# Altium PCB Board2.PcbDoc (part 3 of 3)
Units mil, origin at the board's own origin, x right, y up, seen from the top; angles counter-clockwise.
Board outline 3947.04 x 3947.04 mil, 2 copper layers (Top Layer, Bottom Layer); 271 components, 195 nets, 853 pads, 792 vias.
Unrouted connection lines stored in the file: 1.
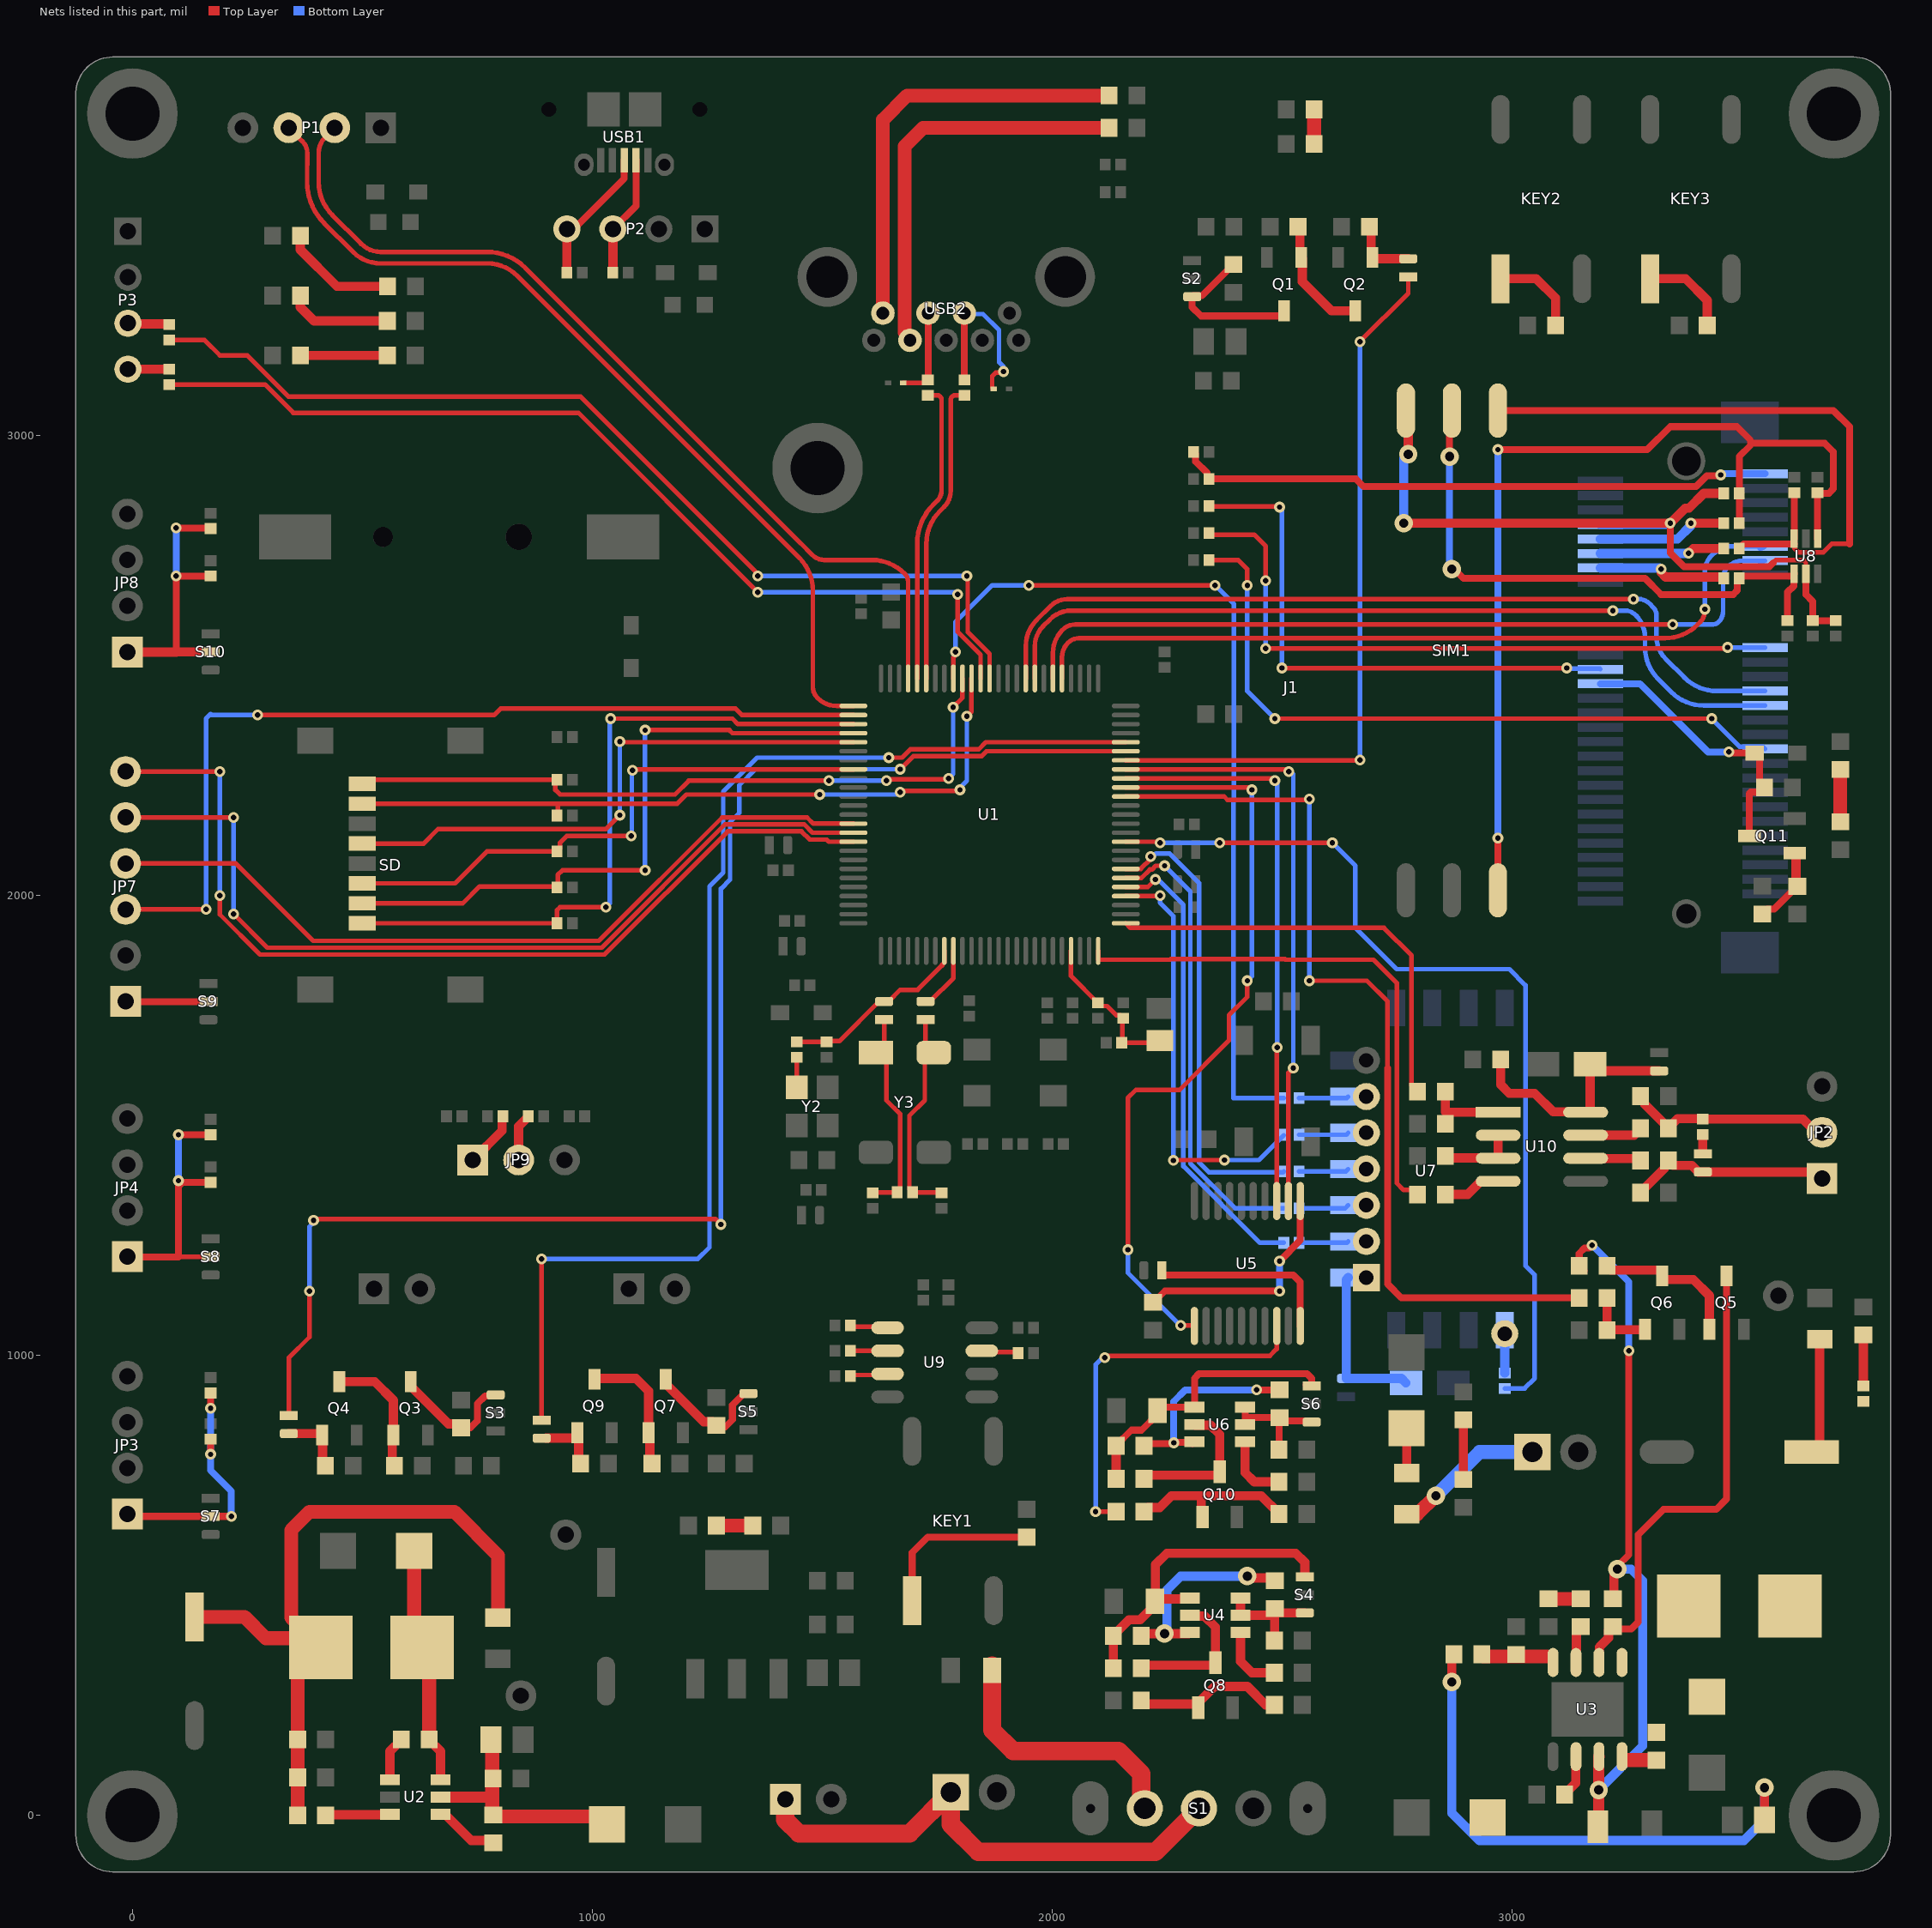
[diagram p3: the nets of this part, all layers, seen from the top]

## Via types
v1: diameter 23.62, hole 11.81, Top Layer to Bottom Layer, 761 vias
v2: diameter 40, hole 20, Top Layer to Bottom Layer, 31 vias

## Nets (pads, with @x,y where several pads share a name; then routed paths per layer and width w, separated by ;. In a path a pad name is that pad's centre, name@x,y a point inside that pad or via, vN(x,y) a via of type N, cw(c..) or ccw(c..) an arc to the next point about the centre after c; other vN are vias at no path point) (continued)
NetC19_1: C19.1 CB4.1 R8.1 Y3.1 | length 463.1
  Top Layer w10: C19.1@1610,1353.46 1610.77,1354.23 1662.5,1354.23 R8.1@1663.27,1355 1670,1361.73 1670,1525 1640,1555 1640,1637.68 1619.41,1658.27 Y3.1@1617.01,1658.27 1635,1676.26 CB4.1@1635,1730.63
NetC20_1: C20.1 CB5.1 R8.2 Y3.4 | length 465.6
  Top Layer w10: R8.2@1696.73,1355 1690,1361.73 1690,1521.43 1723.39,1554.82 1723.39,1638.66 Y3.4@1742.99,1658.27 1725,1676.26 CB5.1@1725,1730.63 ; R8.2@1702.5,1354.23 1759.23,1354.23 C20.1@1760,1353.46
NetC27_1: C27.1 C28.2 D5.2 R28.2 U2.5 | length 534.3
  Top Layer w25: U2.5@670.12,39.43 781.89,39.43
  Top Layer w30: C27.1@779.92,164.74 782.46,162.2 782.46,80 782.46,40 ; 781.89,39.43 782.46,40 ; D5.2@1032.32,-20 1015.31,-2.99 789.29,-2.99 788.31,-2.01 788.31,2.01 785,5.32 782.46,7.85 782.46,40
NetC29_2: C29.2 Q1.3 S2.1 | length 357.7
  Top Layer w15: C29.2@2395,3372.41 2394.02,3372.41 2326.61,3305 2307.28,3305 S2.1@2305,3302.72 2305,3280 2324.31,3260.69 2499.7,3260.69 2505,3265.98 Q1.3@2505,3271.93
NetC30_1: C30.1 C31.1 F4.1 L1.1 R26.1 R27.1 | length 1583.2
  Top Layer w30: C31.1@135,431.22 243.78,431.22 290,385 L1.1@390,385 ; R26.1@359.37,-0.26 C30.1@359.37,164.74 359.37,314.37 L1.1@410,365 L1.1@390,385 ; F4.1@795,430 795,565 700,660 385,660 345,620 345,430 L1.1@390,385
NetC32_1: C32.1 U2.1 | length 98.4
  Top Layer w20: U2.1@559.88,76.83 559.88,139.21 584.68,164.02 C32.1@584.68,165
NetC32_2: C32.2 D6.2 L1.2 U2.6 | length 522
  Top Layer w20: C32.2@645.32,165 645.32,164.02 670.12,139.21 U2.6@670.12,76.83
  Top Layer w30: D6.2@612.68,575 612.68,382.56 L1.2@630.24,365 645.32,349.92 C32.2@645.32,165
NetC33_1: C33.1 U3.8 | length 60.1
  Top Layer w30: 3255,120 3314.69,120 C33.1@3315,119.68
NetC33_2: C33.2 D8.2 L2.1 U3.1 | length 56.6
  Top Layer w30: L2.1@3385,455 L2.1@3425,415
NetC35_1: C35.1 D7.2 R32.1 R35.1 U3.7 | length 1621.5
  Top Layer w15: R35.1@3157.7,1184.22 R35.1@3146.89,1195.02 3146.89,1221.89 3158.35,1233.35 3168.35,1233.35 v1(3175,1240) ; v2@3222.5,527.5 v2(3230,535) 3230,541.76 3255,566.76 v1(3255,1010)
  Top Layer w20: R32.1@3220,470.63 3222.5,473.13 v2@3222.5,527.5
  Top Layer w25: C35.1@3187.68,-38.19 3189.31,-36.56 3189.31,126.95 U3.7@3190,127.64
  Bottom Layer w15: v1(3175,1240) 3255,1160 v1(3255,1010)
  Bottom Layer w20: v2(3189.31,55) 3285,150.69 3285,510 3260,535 v2(3230,535)
NetC36_1: C36.1 C37.2 F5.1 L2.2 R30.2 R33.2 | length 1533.4
  Top Layer w20: v2(2870,290) 2870,345.63 R30.2@2874.37,350 ; C37.2@3550.04,-10 v2(3550,60) ; C36.1@3659.41,790 3670,800.59 F5.1@3670,1035
  Top Layer w30: L2.2@3605.24,455 L2.2@3641.89,491.65 ; C36.1@3641.89,779.41 C36.1@3652.48,790 C36.1@3659.41,790
  Bottom Layer w20: v2(2870,290) 2870,5 2930,-55 3505,-55 3550,-10 v2(3550,60)
NetC38_2: C38.2 Q3.3 S3.1 | length 284
  Top Layer w15: C38.2@715,842.59 735,842.59 750,857.59 750,895 767.03,912.03 787.66,912.03 S3.1@790,914.37
  Top Layer w20: Q3.3@605,943.07 605,933.23 687.33,850.9 706.69,850.9 C38.2@715,842.59
NetC39_1: C39.1 R40.2 | length 70
  Top Layer w30: R40.2@3080,470.63 C39.1@3150,470.63
NetC39_2: C39.2 U3.3 | length 82.4
  Top Layer w20: U3.3@3140,332.36 3140.69,333.06 3140.69,365.69 3140.71,401.69 3149.02,410 C39.2@3150,410
NetC40_1: C40.1 C42.2 S4.1 U4.2 U4.3 | length 233.1
  Top Layer w20: U4.3@2410.12,472.4 U4.2@2410.12,435 2479.51,435 2484.51,430 2484.51,380.49 C42.2@2484.02,380 ; C40.1@2485,449.68 2485.98,449.68 2495.67,440 S4.1@2550,440
NetC40_2: C40.2 R43.1 U4.6 | length 458.1
  Top Layer w20: R43.1@2194.05,390 2199.84,395.79 2200.63,395 v2(2245,395) 2297.28,395 U4.6@2299.88,397.6 ; v2(2425,520) 2428.83,516.17 2479.14,516.17 C40.2@2485,510.32
  Bottom Layer w20: v2(2245,395) 2250,400 2250,490 2280,520 v2(2425,520)
NetC43_2: C43.2 Q7.3 S5.1 | length 277.2
  Top Layer w15: C43.2@1270,847.59 1272.59,845 1290,845 1305,860 1305,892.12 1330.16,917.28 S5.1@1340,917.28
  Top Layer w20: Q7.3@1160,948.07 1160,938.23 1242.33,855.9 1261.69,855.9 C43.2@1270,847.59
NetC44_1: C44.1 C45.2 S6.1 U6.2 U6.3 | length 258.1
  Top Layer w15: U6.2@2420.12,850 2420.12,868.7 ; U6.3@2420.12,887.4 2420.12,868.7 ; C45.2@2494.02,795 2494.51,795.49 2494.51,864.19 C44.1@2495,864.68 ; S6.1@2565,855 2562.66,857.34 2502.34,857.34 C44.1@2495,864.68 ; 2420.12,868.7 2424.13,864.68 C44.1@2495,864.68
NetC44_2: C44.2 R51.1 U6.6 | length 450
  Top Layer w15: R51.1@2200.31,803.36 2205.31,808.35 2263.35,808.35 v1(2265,810) 2266.3,811.3 2302.56,811.3 2305.57,808.29 U6.6@2309.88,812.6 U6.6@2312.48,810 ; v1(2445,925) 2445.16,925.16 2494.84,925.16 C44.2@2495,925.32
  Bottom Layer w15: v1(2265,810) 2265,900 2290,925 v1(2445,925)
NetC46_1: C46.1 CB14.2 U7.1 | length 355.2
  Bottom Layer w20: U7.1@2644.45,1169.17 2640,1164.72 CB14.2@2640,950 2640.16,949.84 2760.16,949.84 C46.1@2770,940
NetC49_2: C49.2 R67.1 R72.2 SIM1.6 U8.1 | length 2135.1
  Top Layer w15: SIM1.6@2970,2011.69 v1(2970,2125) ; v1(2970,2970) 3295,2970 3345,3020 3490,3020 3520,2990 3520,2980 3495,2955 R67.1@3495,2875 R72.2@3495,2810 ; 3524.31,2984.31 3680.69,2984.31 3700,2965 3700,2885 3690,2875 3666.46,2875 C49.2@3665.3,2876.16 ; C49.2@3665,2876.46 C49.2@3665.3,2876.16 ; U8.1@3665.59,2776.38 3665.3,2776.67 C49.2@3665.3,2876.16
  Bottom Layer w15: v1(2970,2125) v1(2970,2970)
NetC50_2: C50.2 R69.2 SIM1.3 U8.3 | length 1411
  Top Layer w10: U8.3@3614.41,2776.38 3615,2775.79 3615,2755 3623.31,2746.69 3678,2746.69 3696.31,2765 3735,2765
  Top Layer w15: SIM1.3@2970,3055 3700,3055 3735,3020 3735,2765 ; R69.2@3495,2755 3504.96,2764.96 U8.3@3614.41,2764.96 ; U8.3@3614.41,2776.38 3614.7,2776.67 3614.7,2876.16 C50.2@3615,2876.46
NetC51_2: C51.2 R68.2 SIM1.2 U8.4 | length 1253.1
  Top Layer w15: v2(2865,2955) 2865,3050 SIM1.2@2870,3055 ; v2(2870,2710) 2875,2710 2895,2690 3290,2690 3325,2655 3481.9,2655 3490.69,2663.79 3490.69,2685.69 R68.2@3495,2690 3495,2690.69 3499.31,2695 U8.4@3613.64,2695 ; C51.2@3600,2598.19 3600,2660 3613.64,2673.64 U8.4@3613.64,2695 ; U8.4@3614.41,2700 3613.64,2699.23 U8.4@3613.64,2695
  Bottom Layer w15: v2(2865,2955) 2865,2715 v2(2870,2710)
NetC56_2: C56.2 C57.1 CB15.2 U10.8 | length 534.7
  Top Layer w20: C56.2@2976.06,1643.9 2976.06,1588.94 2995,1570 3050,1570 3090.36,1529.64 3160.12,1529.64 U10.8@3160.87,1528.9 3168.95,1528.9 3170.75,1530.7 C57.1@3170.75,1633.9 3185.59,1619.06 3320.59,1619.06 CB15.2@3320.75,1618.9
NetCB8_2: CB8.2 Q2.1 R29.2 | length 148.8
  Top Layer w20: R29.2@2690.32,3455 2694.61,3450.71 2694.61,3390.87 Q2.1@2697.4,3388.07 2697.4,3387.95 2700.2,3385.16 2774.84,3385.16 CB8.2@2775,3385
NetCB9_2: CB9.2 Q4.1 R36.2 | length 141.7
  Top Layer w20: CB9.2@340,830 340.16,829.84 409.8,829.84 412.6,827.05 Q4.1@412.6,826.93 413.64,825.89 413.64,761.04 R36.2@414.68,760
NetCB11_2: CB11.2 Q9.1 R49.2 | length 147.6
  Top Layer w20: CB11.2@900,820.16 964.8,820.16 967.6,822.95 Q9.1@967.6,831.93 970.39,829.13 970.39,769.29 R49.2@974.68,765
NetCB12_1: CB12.1 U5.20 | length 411.4
  Top Layer w15: CB12.1@2239.37,1185 2239.37,1177.34 2241.71,1175 2525,1175 2540.16,1159.84 U5.20@2540.16,1064.17
NetCB16_1: CB16.1 R89.1 | length 42.2
  Top Layer w20: CB16.1@3415.75,1438.27 R89.1@3415.75,1480.43
NetCB16_2: CB16.2 JP2.1 R91.2 R95.2 | length 445.5
  Top Layer w20: R95.2@3280.43,1353.9 3280.43,1354.88 3332.76,1407.2 3332.76,1415.59 R91.2@3341.06,1423.9 3341.06,1423.31 3350.94,1413.43 3391.69,1413.43 3406.22,1398.9 CB16.2@3415.75,1398.9 3661.1,1398.9 JP2.1@3675,1385
NetD10_1: D10.1 R83.2 USB2.3 | length 201.7
  Top Layer w10: D10.1@1676.54,3115 1676.61,3115.08 1723.35,3115.08 R83.2@1730,3121.73
  Top Layer w15: R83.2@1730,3121.73 1730.63,3122.36 USB2.3@1730.63,3266.89
NetD11_1: D11.1 R82.2 USB2.2 | length 390
  Top Layer w10: D11.1@1873.46,3102.2 1871.46,3102.2 1871.38,3102.28 1871.38,3104.29 1870,3105.67 1870,3130 1877.39,3137.39 1892.39,3137.39 v1(1895,3140)
  Top Layer w15: USB2.2@1809.37,3266.89 1809.69,3266.57 1809.69,3122.05 R82.2@1810,3121.73
  Bottom Layer w10: USB2.2@1809.37,3266.89 1811.22,3265.04 1849.96,3265.04 1885,3230 1885,3160 1895,3150 v1(1895,3140)
NetD12_2: D12.2 F8.2 | length 97.3
  Top Layer w20: F8.2@2771.58,744.4 D12.2@2771.58,841.72
NetF3_1: F3.1 S1.3 | length 582.2
  Top Layer w40: F3.1@1870,325 1870,185 1915,140 2145,140 2194.48,90.52 2194.48,22.41 S1.3@2201.89,15
NetF6_1: F6.1 R42.2 R43.2 S4.3 U4.4 | length 729.8
  Top Layer w20: R42.2@2133.43,320 R43.2@2133.43,390 2133.43,390.98 2167.44,425 2191.87,425 2225,458.13 F6.1@2225,465.63 ; U4.4@2299.88,472.4 2298.07,470.59 2229.96,470.59 F6.1@2225,465.63 ; S4.3@2550,518.74 2550,550 2530,570 2250,570 2225,545 F6.1@2225,465.63
NetF7_1: F7.1 R50.2 R51.2 S6.3 U6.4 | length 637
  Top Layer w15: R51.2@2139.68,803.36 2139.68,804.34 2172.92,837.58 2195.08,837.58 2230,872.5 F7.1@2230,880 2237.4,887.4 U6.4@2309.88,887.4 2310,887.52 2310,950 2320,960 2555,960 2565,950 S6.3@2565,933.74 2555.16,933.74 S6.3@2552.81,936.08
  Top Layer w20: R50.2@2139.68,731.68 R51.2@2139.68,803.36
NetF8_1: F8.1 KF2.1 | length 330
  Top Layer w30: F8.1@2771.28,654.7 F8.1@2771.58,654.4 2794.4,654.4 v2(2835,695)
  Bottom Layer w30: v2(2835,695) 2930,790 KF2.1@3045,790
NetJ1_1: J1.1 R65.2 R66.2 | length 1300.2
  Top Layer w15: R65.2@2308.27,2965 2312.58,2960.69 2312.58,2944.22 2337.42,2919.38 2337.42,2910.56 R66.2@2341.73,2906.25 2661.42,2906.25 2677.67,2890 3401.14,2890 3424.49,2913.35 3453.35,2913.35 v1(3455,2915)
  Bottom Layer w15: v1(3455,2915) 3457.44,2917.44 J1.1@3551.26,2917.44
NetJ1_17: J1.17 R70.2 | length 1445.2
  Top Layer w10: R70.2@2341.73,2788.75 2345.48,2785 2440,2785 2465,2760 v1(2465,2685) ; v1(2465,2537.5) 3467.5,2537.5 v1(3470,2540)
  Bottom Layer w10: v1(2465,2537.5) v1(2465,2685) ; v1(3470,2540) 3475,2540 3475.51,2539.49 J1.17@3551.26,2539.49
NetJ1_20: J1.20 R71.1 | length 1200.5
  Top Layer w10: R71.1@2341.73,2847.5 2342.98,2846.25 2493.75,2846.25 v1(2495,2845) ; v1(2500,2495) v1(3120,2495)
  Bottom Layer w10: v1(2495,2845) 2500,2840 v1(2500,2495) ; v1(3120,2495) 3121.38,2493.62 3191.61,2493.62 J1.20@3192.99,2492.24
NetJ1_31: J1.31 R73.2 | length 1535
  Top Layer w10: R73.2@2341.73,2730 2405,2730 2425,2710 v1(2425,2675) ; v1(2485,2385) v1(3435,2385)
  Bottom Layer w10: v1(2425,2675) 2425,2445 v1(2485,2385) ; v1(3435,2385) 3496.14,2323.86 3546.42,2323.86 J1.31@3551.26,2319.02
NetJP1_1: JP1.1 KF1.1 S1.2 | length 1128.9
  Top Layer w40: JP1.1@1420,35 1420,-10 1450,-40 1690,-40 KF1.1@1780,50 1780,-20 1840,-80 2225,-80 S1.2@2320,15
NetJP2_2: JP2.2 R86.1 R87.2 R89.2 | length 449.8
  Top Layer w20: R86.1@3280.43,1563.9 3288.74,1555.59 3288.74,1547.2 R87.2@3341.06,1494.88 ; R87.2@3341.06,1493.9 R87.2@3341.06,1494.88 ; JP2.2@3675,1485 3662.3,1485 3633.4,1513.9 R89.2@3415.75,1513.9 3414.65,1515 3361.18,1515 R87.2@3341.06,1494.88
NetJP3_1: JP3.1 R90.1 R93.1 S7.2 | length 548.2
  Top Layer w15: JP3.1@-11,655 -6,650 S7.2@170,650 v1(215,650) ; v1(170,785) R90.1@170,818.27 ; v1(170,885) R93.1@170,918.27
  Bottom Layer w15: v1(170,885) v1(170,785) 170,750 215,705 v1(215,650)
NetJP4_1: JP4.1 R97.1 R98.1 S8.2 | length 593.3
  Top Layer w10: JP4.1@-11,1215 -10.37,1214.37 JP4.1@10,1214.37 ; 100,1214.37 S8.2@170,1214.37 ; R97.1@170,1376.54 R97.1@171.26,1377.8 ; R98.1@170,1480 R98.1@170.98,1480
  Top Layer w15: JP4.1@10,1214.37 100,1214.37 100,1367.75 ; v1(100,1380) 100,1367.75 ; v1(100,1480) R98.1@170,1480 ; R97.1@170,1376.54 108.79,1376.54 100,1367.75
  Bottom Layer w15: v1(100,1380) v1(100,1480)
NetJP7_1: JP7.1 S9.2 | length 180.3
  Top Layer w15: JP7.1@-15,1770 -14.37,1769.37 S9.2@165,1769.37
NetJP8_1: JP8.1 R99.1 R100.1 S10.2 | length 708.9
  Top Layer w15: 95,2530 v1(95,2695) R99.1@170,2695 ; v1(95,2800) 95.87,2799.13 169.13,2799.13 R100.1@170,2798.27
  Top Layer w20: S10.2@170,2530 95.63,2530 ; 95.63,2530 95,2530 JP8.1@-11,2530 -10.37,2529.37 95,2529.37 95.63,2530
  Bottom Layer w15: v1(95,2695) v1(95,2800)
NetJP9_1: JP9.1 R101.1 | length 122.2
  Top Layer w20: JP9.1@740,1425 803.83,1488.83 803.83,1518.19 R101.1@805.64,1520
NetJP9_2: JP9.2 R103.1 | length 103.7
  Top Layer w20: JP9.2@840,1425 840,1497.93 861.09,1519.02 R103.1@861.09,1520
NetKEY1_1: KEY1.1 R12.2 | length 367.2
  Top Layer w15: KEY1.1@1696,466.77 1696,571 1729.68,604.68 R12.2@1945,604.68
NetKEY2_1: KEY2.1 R13.2 | length 196.4
  Top Layer w20: KEY2.1@2976,3341.77 3053.23,3341.77 3095.32,3299.68 R13.2@3095.32,3240
NetKEY3_1: KEY3.1 R16.2 | length 198.5
  Top Layer w20: KEY3.1@3301,3341.77 3378.23,3341.77 3425.32,3294.68 R16.2@3425.32,3240
NetLED1_K: LED1.K R9.2 | length 253
  Top Layer w20: LED1.K@365.31,3435 365,3434.69 365,3405 445,3325 R9.2@554.68,3325
NetLED2_K: LED2.K R10.2 | length 226.9
  Top Layer w20: LED2.K@365.31,3305 365,3304.69 365,3280 395,3250 R10.2@554.37,3250
NetLED3_K: LED3.K R11.2 | length 189.1
  Top Layer w20: LED3.K@365.31,3175 R11.2@554.37,3175
NetLED4_A: LED4.A R24.1 | length 79.4
  Top Layer w30: R24.1@1270,630 LED4.A@1349.37,630
NetLED5_A: LED5.A R33.1 | length 111.2
  Top Layer w20: R33.1@3765,933.46 LED5.A@3765,1044.68
NetLED6_A: LED6.A R44.1 | length 75
  Top Layer w30: R44.1@2570.31,3635 LED6.A@2570.32,3710
NetLED7_A: LED7.A R52.1 | length 129.4
  Top Layer w20: LED7.A@2895,730.32 R52.1@2895,859.69
NetLED8_A: LED8.A R56.1 | length 114.1
  Top Layer w30: R56.1@3715,2160.31 LED8.A@3715,2274.37
NetP2_3: P2.3 R14.1 USB1.2 | length 265.4
  Top Layer w15: P2.3@1045,3450 1095.32,3500.31 USB1.2@1095.32,3599.57
  Top Layer w20: R14.1@1045,3355 P2.3@1045,3450
NetP2_4: P2.4 R15.1 USB1.3 | length 305.8
  Top Layer w10: P2.4@945,3435 P2.4@945,3450 P2.4@954.39,3459.39
  Top Layer w15: P2.4@954.39,3459.39 955.34,3458.43 965.35,3458.43 966.31,3459.39 969.39,3459.39 1069.35,3559.35 1069.35,3599.19 USB1.3@1069.72,3599.57
  Top Layer w20: R15.1@945,3355 P2.4@945,3435
NetP3_3: P3.3 R21.1 | length 91.4
  Top Layer w20: P3.3@-10,3245 -8.37,3243.37 78.37,3243.37 R21.1@80,3241.73
NetP3_4: P3.4 R23.1 | length 90
  Top Layer w20: P3.4@-10,3145 R23.1@80,3145
NetQ1_1: Q1.1 Q2.3 R25.1 | length 265.1
  Top Layer w20: R25.1@2535.31,3455 2539.61,3450.71 2539.61,3390.87 Q1.1@2542.4,3388.07 2544.57,3385.91 2544.57,3335.43 2608.07,3271.93 Q2.3@2660,3271.93
NetQ3_1: Q3.1 Q4.3 R31.1 | length 289.7
  Top Layer w20: Q4.3@450,943.07 526.93,943.07 567.6,902.4 Q3.1@567.6,826.93 565,824.33 R31.1@565,760 ; R31.1@566.69,768.31 R31.1@575,760
NetQ5_1: Q5.1 Q6.3 R35.2 | length 332
  Top Layer w20: R35.2@3207.52,1195.02 3207.52,1194.04 3215.83,1185.73 3324.72,1185.73 3327.52,1182.94 Q6.3@3327.52,1173.09 3327.52,1167.8 3330.32,1165 3395,1165 3430.12,1129.88 Q5.1@3430.12,1056.95
NetQ5_3: Q5.3 R32.2 U3.2 | length 1041.4
  Top Layer w15: R32.2@3220,410 3225,405 3260,405 3275,420 3275,610 3330,665 3445,665 3467.52,687.52 Q5.3@3467.52,1173.09
  Top Layer w20: U3.2@3190,332.36 3190.69,333.06 3190.69,365.69 3210.71,385.71 R32.2@3210.71,401.69
NetQ6_1: Q6.1 R37.2 R39.2 | length 153.4
  Top Layer w20: R37.2@3207.52,1125.02 R39.2@3207.52,1055.02 3208.48,1055.99 3289.15,1055.99 Q6.1@3290.12,1056.95
NetQ7_1: Q7.1 Q9.3 R41.1 | length 290.3
  Top Layer w20: Q9.3@1005,948.07 1006.93,950 1095,950 1122.6,922.4 Q7.1@1122.6,831.93 1125.39,829.13 1125.39,769.61 R41.1@1130,765
NetQ8_1: Q8.1 R46.2 R48.1 | length 337.1
  Top Layer w20: R46.2@2194.06,250 2202.27,241.78 2314.43,241.78 Q8.1@2318.21,238 ; Q8.1@2318.21,233.57 Q8.1@2318.21,238 ; R48.1@2484.02,240 2465,240 2425,280 2353.82,280 2318.21,244.39 Q8.1@2318.21,238
NetQ8_3: Q8.3 R42.1 U4.5 | length 311.6
  Top Layer w20: R42.1@2194.05,320 2200.05,326 2351.83,326 2355.61,329.78 Q8.3@2355.61,331.99 2355.61,409.39 2331.81,433.19 2301.69,433.19 U4.5@2299.88,435
NetQ10_1: Q10.1 R54.2 R55.1 | length 373.4
  Top Layer w20: R54.2@2200.32,660 2200.32,660.98 2208.62,669.29 2234.29,669.29 2260,695 2325,695 ; Q10.1@2327.6,648.57 2325,651.17 2325,695 ; R55.1@2494.02,655 2494.02,655.98 2455,695 2325,695
NetQ10_3: Q10.3 R50.1 U6.5 | length 318.7
  Top Layer w20: R50.1@2200.31,731.68 2207.97,739.34 2361.22,739.34 2365,743.12 Q10.3@2365,746.99 2365,828.28 2345.1,848.19 2311.69,848.19 U6.5@2309.88,850
NetQ11_1: Q11.1 R60.2 R64.1 | length 176.1
  Top Layer w15: R64.1@3545,1960 3555.81,1970.81 3570.92,1970.81 3620.43,2020.32 R60.2@3621.41,2020.32
  Top Layer w20: Q11.1@3615.62,2092.6 3618.52,2089.7 3618.52,2023.21 R60.2@3621.41,2020.32
NetR7_1: R7.1 Y2.3 | length 65.6
  Top Layer w10: Y2.3@1445,1582.68 R7.1@1445,1648.27
NetR26_2: R26.2 U2.3 | length 135.2
  Top Layer w20: R26.2@425.63,-0.26 426.77,0.88 558.74,0.88 U2.3@559.88,2.02
NetR28_1: R28.1 U2.4 | length 140.7
  Top Layer w20: U2.4@670.12,2.02 679.96,2.02 736.98,-55 779.69,-55 R28.1@785,-60.31
NetR30_1: R30.1 R34.2 U3.4 | length 144
  Top Layer w30: R30.1@2935,350 2935,349.02 2938.31,345.71 3076.65,345.71
NetR38_1: R38.1 U3.6 | length 92.9
  Top Layer w20: R38.1@3115.31,45 3115.31,45.98 3139.31,69.98 3139.31,126.94 U3.6@3140,127.64
NetR45_1: R45.1 U4.1 | length 146.9
  Top Layer w20: U4.1@2410.12,397.6 2410.12,334.88 2435,310 R45.1@2484.02,310
NetR47_1: R47.1 U5.1 | length 499.8
  Top Layer w15: R47.1@2220,1115.31 2220.98,1115.31 2245.67,1140 v1(2495,1140) ; v1(2495,1205) 2540.16,1250.16 U5.1@2540.16,1335.83
  Bottom Layer w15: v1(2495,1140) v1(2495,1205)
NetR53_1: R53.1 U6.1 | length 149.9
  Top Layer w20: U6.1@2420.12,812.6 2420,812.48 2420,745 2440,725 R53.1@2494.02,725
NetR57_1: R57.1 U7.12 | length 93.3
  Bottom Layer w20: R57.1@2985,961.73 U7.12@2985,1055
NetR58_2: R58.2 U7.2 | length 107.8
  Bottom Layer w10: R58.2@2537.83,1245 2641.54,1245 U7.2@2644.45,1247.91
NetR59_2: R59.2 U7.3 | length 109.4
  Bottom Layer w10: R59.2@2537.83,1320 2637.8,1320 U7.3@2644.45,1326.65
NetR61_2: R61.2 U7.4 | length 108.8
  Bottom Layer w10: R61.2@2537.83,1400 2639.05,1400 U7.4@2644.45,1405.39
NetR62_2: R62.2 U7.5 | length 108.3
  Bottom Layer w10: R62.2@2537.83,1480 2640.32,1480 U7.5@2644.45,1484.13
NetR63_2: R63.2 U7.6 | length 107.8
  Bottom Layer w10: R63.2@2537.83,1560 2641.57,1560 U7.6@2644.45,1562.87
NetR74_2: R74.2 U9.7 | length 81.2
  Top Layer w10: U9.7@1847.36,1010 1849.86,1007.5 1924.04,1007.5 R74.2@1926.54,1005
NetR77_1: R77.1 U9.1 | length 83
  Top Layer w10: R77.1@1561.73,1065 1564.23,1062.5 1640.14,1062.5 U9.1@1642.64,1060
NetR78_1: R78.1 U9.2 | length 80.9
  Top Layer w10: R78.1@1561.73,1010 U9.2@1642.64,1010
NetR79_1: R79.1 U9.3 | length 83
  Top Layer w10: R79.1@1561.73,955 1564.23,957.5 1640.14,957.5 U9.3@1642.64,960
NetR84_2: R84.2 USB2.4 | length 919.3
  Top Layer w30: USB2.4@1632.2,3266.89 1632.2,3687.2 1685,3740 R84.2@2109.37,3740
NetR85_2: R85.2 USB2.6 | length 873.1
  Top Layer w30: USB2.6@1691.26,3207.83 1691.26,3213.57 1680,3224.83 1680,3630 1720,3670 R85.2@2109.68,3670
NetR87_1: R87.1 U10.7 | length 126.4
  Top Layer w20: U10.7@3160.87,1478.9 3266.42,1478.9 3280.43,1492.91 R87.1@3280.43,1493.9
NetR88_2: R88.2 R92.2 U10.1 | length 159.1
  Top Layer w20: R88.2@2856.06,1573.9 2855.91,1573.74 2855.91,1530 2857.01,1528.9 U10.1@2970.63,1528.9
NetR91_1: R91.1 U10.6 | length 121.6
  Top Layer w20: U10.6@3160.87,1428.9 3161.61,1428.15 3276.18,1428.15 R91.1@3280.43,1423.9
NetR94_2: R94.2 U10.2 U10.3 | length 167
  Top Layer w20: R94.2@2855.75,1433.9 2860,1429.64 2969.88,1429.64 U10.3@2970.63,1428.9 U10.2@2970.63,1478.9
NetR96_2: R96.2 U10.4 | length 126.8
  Top Layer w20: R96.2@2855.75,1350 2855.88,1350.13 2904.06,1350.13 2932.82,1378.9 U10.4@2970.63,1378.9
OSC32_IN: C18.2 CB4.2 R7.2 U1.8 | length 418.9
  Top Layer w10: R7.2@1445,1681.73 C18.2@1510,1681.73 1511.92,1683.65 1537.8,1683.65 1624.14,1770 CB4.2@1635,1770 1644.84,1770 1669.84,1795 1707.95,1795 1761.18,1848.23 1761.18,1849.8 1765.94,1854.57 U1.8@1765.94,1880
OSC32_OUT: CB5.2 U1.9 | length 140.9
  Top Layer w10: CB5.2@1725,1770 1734.84,1770 1785.63,1820.79 U1.9@1785.63,1880
OUT_CRTL: R54.1 U5.18 | length 821.5
  Top Layer w10: v1(2095,660) R54.1@2139.69,660 ; v1(2115,995) 2118.98,998.98 2473.98,998.98 2488.98,1013.98 U5.18@2488.98,1064.17
  Bottom Layer w10: v1(2095,660) 2095,980 v1@2112.5,997.5
PRESET: C47.2 D9.2 J1.22 Q11.3 | length 612.8
  Top Layer w15: v1(3472.5,2312.5) 3475,2310 D9.2@3528.54,2310 3530.28,2310 3539.11,2301.16 3539.11,2245.57 C47.2@3549.69,2235 3539.69,2225 3520,2225 3517.2,2222.2 Q11.3@3517.2,2130
  Bottom Layer w15: J1.22@3192.99,2460.75 3279.25,2460.75 3427.5,2312.5 v1(3472.5,2312.5)
PWRER_CAM: U1.43 U5.2 | length 1301.4
  Top Layer w10: U1.43@2160.63,2274.68 2510.32,2274.68 v1(2515,2270) ; U5.2@2514.57,1335.83 2514.57,1614.57 v1(2525,1625)
  Bottom Layer w10: v1(2515,2270) 2518.69,2270 2524.54,2264.14 2525,2264.14 v1(2525,1625)
PWRER_D: R37.1 U1.40 | length 2031.2
  Top Layer w10: U1.40@2160.63,2215.63 2374.37,2215.63 2381.81,2208.19 2558.19,2208.19 v1(2560,2210) ; v1(2560,1815) 2685,1815 2730,1770 2730,1625
  Top Layer w15: 2730,1625 2730,1155 2760,1125 2874.95,1125 ; 2874.98,1125.02 R37.1@3146.89,1125.02
  Bottom Layer w10: v1(2560,1815) v1(2560,2210)
PWRER_LE: U1.41 U5.11 | length 1686.9
  Top Layer w10: U1.41@2160.63,2235.32 2429.68,2235.32 v1(2435,2230) ; v1(2165,1230) 2165,1560 2182.5,1577.5 2277.5,1577.5 2385,1685 2385,1740 2425,1780 v1(2425,1815) ; v1(2280,1065) 2309.02,1065 U5.11@2309.84,1064.17
  Bottom Layer w10: v1(2165,1230) 2165,1180 v1(2280,1065) ; v1(2425,1815) 2435,1825 v1(2435,2230)
PWRER_OUT: U1.42 U5.3 | length 1243.1
  Top Layer w10: U1.42@2160.63,2255 2480,2255 v1(2485,2250) ; U5.3@2488.98,1335.83 2488.98,1668.98 v1(2490,1670)
  Bottom Layer w10: v1(2485,2250) 2490,2245 v1(2490,1670)
PWRER_OUT3.3: CB9.1 U1.45 | length 3181.9
  Top Layer w10: CB9.1@340,869.37 340,995 385,1040 v1(385,1140) ; v1(393.86,1293.86) 396.81,1296.81 1268.19,1296.81 v1(1280,1285) ; v1(1670,2275) 1698.19,2303.19 1846.83,2303.19 1857.69,2314.06 U1.45@2160.63,2314.06
  Bottom Layer w10: v1(385,1140) 385,1280 393.86,1288.86 v1(393.86,1293.86) ; v1(1280,1285) 1280,2015 1300,2035 1300,2160 1320,2180 1320,2240 1355,2275 v1(1670,2275)
PWRER_OUT5: CB11.1 U1.46 | length 2649.8
  Top Layer w10: CB11.1@890,859.37 v1(890,1210) ; v1(1645,2300) 1673.79,2300 1691.98,2318.19 1840.62,2318.19 1856.17,2333.74 U1.46@2160.63,2333.74
  Bottom Layer w10: v1(890,1210) 1230,1210 1255,1235 1255,2020 1285,2050 1285,2226.21 1358.79,2300 v1(1645,2300)
PWRER_USB: CB8.1 U1.44 | length 1603.8
  Top Layer w10: U1.44@2160.63,2294.37 2669.37,2294.37 v1(2670,2295) ; v1(2670,3205) 2775,3310 CB8.1@2775,3345.63
  Bottom Layer w10: v1(2670,2295) v1(2670,3205)
RS485_RXD: R88.1 U1.26 | length 953.1
  Top Layer w10: U1.26@2160.63,1940.04 2170.67,1930 2722.13,1930 2782.13,1870 2782.13,1587.2 R88.1@2795.43,1573.9
  Top Layer w15: R88.1@2795.43,1573.9 R88.1@2795.43,1574.88
RS485_TXD: R96.1 U1.25 | length 1181.3
  Top Layer w10: U1.25@2100.59,1880 2100.59,1860.59 2257.31,1860.59 2258.53,1861.81 2506.47,1861.81 2507.69,1860.59 2699.41,1860.59 2750,1810 2750,1375 2765,1360 2785.12,1360 R96.1@2795.12,1350
SDIO_CMD: R19.2 SD.3 U1.83 | length 1260
  Top Layer w10: SD.3@500,2026.69 701.69,2026.69 771,2096 R19.2@923.27,2096 930.08,2102.81 930.08,2115.08 945,2130 v1(1085,2130) ; v1(1087.34,2272.34) 1089.61,2274.61 1568.03,2274.61 U1.83@1568.11,2274.68
  Bottom Layer w10: v1(1085,2130) 1086.17,2131.17 1086.17,2271.17 v1(1087.34,2272.34)
SDIO_D0: R20.2 SD.7 U1.65 | length 1592
  Top Layer w10: SD.7@500,2199.92 925,2199.92 ; R20.2@923.27,2174 925,2175.73 925,2199.92 ; v1(1495,2220) 1205,2220 1184.92,2199.92 925,2199.92 ; v1(1670,2225) 1672.5,2227.5 1797.5,2227.5 v1(1800,2230) ; v1(1815,2390) 1825,2400 U1.65@1825,2472.52
  Bottom Layer w10: v1(1495,2220) 1665,2220 v1(1670,2225) ; v1(1800,2230) 1800,2235 1815,2250 v1(1815,2390)
SDIO_D1: R22.2 SD.8 U1.66 | length 1554
  Top Layer w10: SD.8@500,2243.23 508.77,2252 R22.2@923.27,2252 920,2248.73 920,2230 930,2220 1180,2220 1210,2250 v1(1515,2250) ; v1(1640,2250) 1643.19,2253.19 1773.19,2253.19 v1(1775,2255) ; v1(1785,2410) 1805.31,2430.31 U1.66@1805.31,2472.52
  Bottom Layer w10: v1(1515,2250) v1(1640,2250) ; v1(1775,2255) 1785,2265 v1(1785,2410)
SDIO_D2: R17.2 SD.1 U1.78 | length 1508.3
  Top Layer w10: SD.1@500,1940.08 500.08,1940 R17.2@923.27,1940 923.27,1968.27 930,1975 v1(1030,1975) ; v1(1040,2385) 1305,2385 1316.89,2373.11 U1.78@1568.11,2373.11
  Bottom Layer w10: v1(1030,1975) 1038.19,1983.19 1038.19,2383.19 v1(1040,2385)
SDIO_D3: R18.2 SD.2 U1.79 | length 1422
  Top Layer w10: SD.2@500,1983.39 718.39,1983.39 755,2020 921.27,2020 R18.2@923.27,2018 925,2019.73 925,2045 935,2055 v1(1115,2055) ; v1(1115,2360) 1298.43,2360 1305,2353.43 U1.79@1568.11,2353.43
  Bottom Layer w10: v1(1115,2055) v1(1115,2360)
SDIO_SCK: SD.5 U1.80 | length 1254.2
  Top Layer w10: SD.5@500,2113.31 633.31,2113.31 665,2145 1030,2145 v1(1060,2175) ; v1(1060,2335) 1061.26,2333.74 U1.80@1568.11,2333.74
  Bottom Layer w10: v1(1060,2175) v1(1060,2335)
SPI3_CSN: JP7.3 U1.77 | length 2014.8
  Top Layer w10: JP7.3@-15,1970 v1(160,1970) ; v1(272.2,2392.8) 786.79,2392.8 800.81,2406.81 1311.71,2406.81 1325.72,2392.8 U1.77@1568.11,2392.8
  Bottom Layer w10: v1(160,1970) 160,2385 170,2395 172.2,2392.8 v1(272.2,2392.8)
SPI3_MISO: JP7.5 U1.90 | length 1942
  Top Layer w10: JP7.5@-15,2170 v1(220,2170) ; v1(220,1960) 293.19,1886.81 1020.6,1886.81 1288.79,2155 1461.21,2155 1479.32,2136.89 U1.90@1568.11,2136.89
  Bottom Layer w10: v1(220,1960) v1(220,2170)
SPI3_MOSI: JP7.6 U1.91 | length 2050.7
  Top Layer w10: JP7.6@-15,2270 v1(190,2270) ; v1(190,2000) 190,1959.15 277.34,1871.81 1026.81,1871.81 1295,2140 1455,2140 1473.19,2121.81 1510,2121.81 1514.61,2117.2 U1.91@1568.11,2117.2
  Bottom Layer w10: v1(190,2000) v1(190,2270)
SPI3_SCLK: JP7.4 U1.89 | length 1769.4
  Top Layer w10: JP7.4@-15,2070 225,2070 393.19,1901.81 1014.38,1901.81 1282.57,2170 1467.43,2170 1480.85,2156.57 U1.89@1568.11,2156.57
SWCLK: P1.3 U1.76 | length 1957.8
  Top Layer w10: P1.3@340,3670 369.82,3640.18 cw(c344.64,3615) 380.25,3615 380,3560 380,3551.42 ccw(c505,3551.42) 416.61,3463.03 479.64,3400 ccw(c540,3460.36) 540,3375 772.11,3375 cw(c772.11,3283.54) 836.79,3348.21 1435,2750 1450.71,2734.29 cw(c1380,2663.58) 1480,2663.58 1480,2454.14 ccw(c1514.14,2454.14) 1490,2430 ccw(c1532.3,2472.3) 1532.3,2412.48 U1.76@1568.11,2412.48
SWDIO: P1.2 U1.72 | length 1993.4
  Top Layer w10: P1.2@440,3670 419.12,3649.12 ccw(c453.28,3615) 405,3615 405,3551.42 ccw(c505,3551.42) 434.29,3480.71 497.32,3417.68 ccw(c540,3460.36) 540,3400 770,3400 ; 771.08,3400 cw(c771.08,3282.5) 854.16,3365.59 1452.37,2767.37 ; 1452.5,2767.5 1479.39,2740.61 ccw(c1505,2766.21) 1505,2730 1608.58,2730 cw(c1608.58,2630) 1679.29,2700.71 1680,2700 cw(c1662.61,2682.61) 1687.2,2682.61 U1.72@1687.2,2472.52
UART3_CTS: J1.25 U1.58 | length 1825.3
  Top Layer w10: U1.58@1962.8,2472.52 1962.8,2542.8 cw(c2023.15,2542.8) 1980.47,2585.47 1995.59,2600.59 cw(c2042.45,2553.74) 2042.45,2620 v1(3220,2620)
  Bottom Layer w10: v1(3220,2620) 3245.86,2620 cw(c3245.86,2585.86) 3270,2610 cw(c3221.72,2561.72) 3290,2561.72 3290,2540 ccw(c3386.57,2540) 3318.28,2471.72 3347.21,2442.79 ccw(c3417.92,2513.5) 3417.92,2413.5 J1.25@3551.26,2413.5
UART3_RTS: J1.23 U1.59 | length 1857.4
  Top Layer w10: U1.59@1943.11,2472.52 1943.11,2542.8 cw(c2023.15,2542.8) 1966.55,2599.39 1996.79,2629.63 cw(c2033.9,2592.52) 2033.9,2645 v1(3265,2645)
  Bottom Layer w10: v1(3265,2645) 3275.86,2645 cw(c3275.86,2610.86) 3300,2635 3307.93,2627.07 cw(c3290.86,2610) 3315,2610 3315,2563.28 ccw(c3383.28,2563.28) 3335,2515 3375.71,2474.29 ccw(c3446.42,2545) 3446.42,2445 J1.23@3551.26,2445
UART3_RXD: J1.13 U1.56 | length 1766.2
  Top Layer w10: U1.56@2002.17,2472.52 2002.17,2527.4 cw(c2074.03,2527.4) 2023.22,2578.22 ; 2023.24,2578.24 cw(c2051.67,2549.76) 2051.67,2590 v1(3350,2590)
  Bottom Layer w10: v1(3350,2590) 3437.93,2590 ccw(c3437.93,2607.07) 3449.99,2594.99 ccw(c3442.96,2602.1) 3450.1,2595.1 ccw(c3425.86,2619.14) 3460,2619.14 3460,2690.86 cw(c3494.14,2690.86) 3470,2715 cw(c3502.51,2682.49) 3502.51,2728.46 J1.13@3551.26,2728.46 cw(c3539.19,2740.54) J1.13@3539.19,2723.46
UART3_TXD: J1.11 U1.55 | length 1755.5
  Top Layer w10: U1.55@2021.85,2472.52 2021.85,2518.25 cw(c2066.75,2518.25) 2035,2550 cw(c2059.14,2525.86) 2059.14,2560 2095,2560 2160,2560 3333.58,2560 ccw(c3333.58,2660) 3404.29,2589.29 3410,2595 ccw(c3385.86,2619.14) 3420,2619.14 v1(3420,2623)
  Bottom Layer w10: v1(3420,2623) 3420,2703.79 cw(c3471.21,2703.79) 3435,2740 cw(c3483.19,2691.81) 3483.19,2759.96 J1.11@3551.26,2759.96 cw(c3539.19,2772.03) J1.11@3539.19,2754.96
UART6_RXD: R23.2 U1.64 | length 2093
  Top Layer w10: R23.2@80,3111.54 288.12,3111.54 349.66,3050 970,3050 1350,2670 ; v1(1795,2655) 1795,2573.79 1844.68,2524.1 U1.64@1844.68,2472.52
  Bottom Layer w10: v1(1360,2660) 1790,2660 v1(1795,2655)
UART6_TXD: R21.2 U1.63 | length 2181.4
  Top Layer w10: R21.2@80,3208.27 156.73,3208.27 190,3175 249.41,3175 339.41,3085 975,3085 v1@1355,2705 ; v1(1815,2695) 1816.81,2693.19 1816.81,2573.19 1864.37,2525.63 U1.63@1864.37,2472.52
  Bottom Layer w10: v1(1360,2695) v1(1815,2695)
USB_N: R82.1 U1.70 | length 657.1
  Top Layer w10: U1.70@1726.57,2472.52 1726.89,2472.83 1726.89,2765.47 cw(c1826.89,2765.47) 1756.18,2836.18 1765.03,2845.03 ccw(c1728.9,2881.17) 1780,2881.17 1780,3078.27 cw(c1790,3078.27) 1782.93,3085.34 cw(c1790,3078.27) 1790,3088.27 R82.1@1810,3088.27
USB_P: R83.1 U1.71 | length 657
  Top Layer w10: U1.71@1706.89,2472.52 1706.89,2765.52 cw(c1826.75,2765.52) 1742,2850.28 1750.86,2859.14 ccw(c1728.79,2881.21) 1760,2881.21 1760,3078.27 ccw(c1750,3078.27) 1757.07,3085.34 ccw(c1750,3078.27) 1750,3088.27 R83.1@1730,3088.27
USIM_CLK: J1.12 R69.1 | length 273
  Top Layer w20: v1(3385,2745) 3395,2755 R69.1@3461.54,2755
  Bottom Layer w20: J1.12@3192.99,2744.21 3384.21,2744.21 v1(3385,2745)
USIM_DATA: J1.10 R72.1 | length 285.7
  Top Layer w20: v1(3390,2810) R72.1@3461.54,2810
  Bottom Layer w20: J1.10@3192.99,2775.71 3360.71,2775.71 3390,2805 v1(3390,2810)
USIM_RST: J1.14 R68.1 | length 282.7
  Top Layer w20: v1(3325,2710) 3325,2702.8 3335,2692.8 3459.72,2692.8 3461.54,2690.98 R68.1@3461.54,2690
  Bottom Layer w20: J1.14@3192.99,2712.72 3321.3,2712.72 3324.02,2710 v1(3325,2710)
USIM_VDD: C48.2 C52.2 J1.8 R67.2 SIM1.1 U8.5 | length 1698.2
  Top Layer w10: 3568.74,2723.74 3575,2730 3634.14,2730 3640,2724.14 U8.5@3640,2700
  Top Layer w15: v1(3345,2810) 3345,2745 3374.7,2715.3 3560.3,2715.3 3568.74,2723.74 ; U8.5@3640,2700 3640,2655 3655,2640 C52.2@3655,2598.19 C48.2@3705,2598.19
  Top Layer w20: v2(2765,2810) v1(3345,2810) 3377.85,2842.85 3385.81,2842.85 3417.96,2875 R67.2@3461.54,2875 ; SIM1.1@2770,3055 2770,3048.95 2761.05,3040 2775,3026.05 v2(2775,2960)
  Bottom Layer w20: v2(2765,2810) 2765,2950 v2(2775,2960) ; J1.8@3192.99,2807.2 3341.22,2807.2 3344.02,2810 v1(3345,2810)
VDDA: C8.2 C9.2 R3.2 R4.2 U1.22 | length 346.3
  Top Layer w10: U1.22@2041.54,1880 2041.54,1825.2 R3.2@2100,1766.73 2106.81,1759.92 2120.08,1759.92 2139.92,1740.08 2148.19,1740.08 C9.2@2155,1733.27 2153.37,1731.63 2153.37,1681.63 R4.2@2151.73,1680 2230.08,1680 C8.2@2235,1684.92
WiFi_EN: R57.2 U1.35 | length 2015.1
  Top Layer w10: U1.35@2160.63,2117.2 2232.8,2117.2 v1(2235,2115) ; v1(2365,2115) v1(2610,2115)
  Bottom Layer w10: v1(2235,2115) v1(2365,2115) ; v1(2610,2115) 2660,2065 2660,1930 2750,1840 2995,1840 3030,1805 3030,1195 3050,1175 3050,950 3028.27,928.27 R57.2@2985,928.27
WiFi_MISO: R59.1 U1.31 | length 1002.6
  Top Layer w10: U1.31@2160.63,2038.46 2194.68,2038.46 2213.02,2056.81 2217.66,2056.81 2225.85,2065 v1(2245,2065)
  Bottom Layer w10: v1@2250,2060 2300.95,2009.05 2300.95,1417.83 2398.79,1320 R59.1@2504.37,1320
WiFi_MOSI: R61.1 U1.32 | length 996.9
  Top Layer w10: U1.32@2160.63,2058.15 2193.15,2058.15 2215,2080 v1(2215,2085)
  Bottom Layer w10: v1@2221.81,2086.81 2226.81,2091.81 2255.62,2091.81 2320,2027.43 2320,1420 2341.81,1398.19 2502.56,1398.19 R61.1@2504.37,1400
WiFi_nCS: R62.1 U1.29 | length 925.7
  Top Layer w10: U1.29@2160.63,1999.09 2160.71,1999.02 2234.02,1999.02 v1(2235,2000) ; v1(2264.14,1424.14) 2265,1425 v1(2375,1425)
  Bottom Layer w10: v1(2235,2000) 2235,1985 2264.14,1955.86 v1(2264.14,1424.14) ; v1(2375,1425) 2450.35,1425 R62.1@2504.37,1479.02
WiFi_nRST: R63.1 U1.67 | length 1964.2
  Top Layer w10: U1.67@1785.63,2472.52 1785.63,2518.03 1787.39,2519.8 1787.39,2527.39 v1(1790,2530) ; v1(1950,2675) v1(2355,2675)
  Bottom Layer w10: v1(1790,2530) 1790,2595 1870,2675 v1(1950,2675) ; v1(2355,2675) 2395.97,2634.03 2395.97,2208.19 2395,2207.22 2395,1560 R63.1@2504.37,1560
WiFi_SCLK: R58.1 U1.30 | length 1010.6
  Top Layer w10: U1.30@2160.63,2018.78 2208.78,2018.78 v1(2225,2035) v1@2230,2035
  Bottom Layer w10: v1@2230,2035 2230.85,2035 2285.95,1979.89 2285.95,1411.62 2452.57,1245 R58.1@2504.37,1245
pads on no net: BAT.0 J1.3 J1.5 J1.6 J1.7 J1.16 J1.19 J1.24 J1.28 J1.30 J1.32 J1.33 J1.36 J1.38 J1.44 J1.45 J1.46 J1.47 J1.48 J1.49 J1.51 KEY1.3 KEY1.4 KEY2.3 KEY2.4 KEY3.3 KEY3.4 S1.1 SIM1.5 U1.7 U1.17 U1.18 U1.24 U1.33 U1.34 U1.36 U1.38 U1.39 U1.51 U1.52 U1.53 U1.54 U1.84 U1.85 U1.86 U1.87 U5.4 U5.5 U5.6 U5.7 U5.8 U5.9 U5.12 U5.13 U5.14 U5.15 U5.16 U5.17 U7.8 U7.9 U7.10 U7.11 U7.13 U7.14 U7.15 U8.6 USB1.4 USB2.9 Y2.1 Y3.2 Y3.3

## Polygon pours and split planes (outlines as drawn)
GND on Top Layer "GND_L01_P020" (solid, pour order 20): -43.11,3818.9 3771.1,3818.9 3815,3775 3815,-120 -115,-120 -120,-115 -120,3820
GND on Top Layer "MP1584_L01_SPACE" (solid, pour order 2): 3245,290 3245,170 3100,170 3097.34,109.73 3071.8,27.52 3035,27.52 3000,85 2850,85 2785,150 2785,575 3190,575 3195,570 3190,565 3190,515 3035,515 3025,505 3025,432.36 3032.36,425 3100,425 3100,395 3096.81,391.81 2848.18,391.81 2830,373.64 2830,255 2895,255 2930,290
NetC36_1 on Top Layer "MP1584_L01_VO" (solid, pour order 10): 3520,40 3520,-85 3535,-100 3580,-100 3595,-85 3595,150 3695,250 3755,250 3755,865 3780,890 3780,910 3686.01,910 3685.79,910.22 3685.57,910 3525,910
GND on Top Layer "MP1584_L01_GND" (solid, pour order 12): 3265,45 3350,45 3380,75 3380,150 3385,155 3505,155 3510,150 3510,-85 3495,-100 3275,-100 3265,-90
NetC35_1 on Top Layer "MP1584_L01_Vin" (solid, pour order 14): 3175,150 3170,90 3155,65 3155,-10 3015,-10 3015,-5 3005,5 3005,50 2865,50 2860,45 2860,-90 2870,-100 3215,-100 3230,-85 3230,70 3210,80 3207.5,82.5 3202.31,150
NetC33_2 on Top Layer "MP1584_L01_SW" (solid, pour order 4): 3300,610 3300,365 3230,365 3230,310 3260,310 3285,285 3285,160 3350,160 3360,170 3360,205 3370,215 3470,215 3485,230 3480,235 3480,610
GND on Bottom Layer "GND_L02_P022" (solid, pour order 22): -43.11,3818.9 3818.9,3818.9 3820,3820 3820,-120 -105,-120 -120,-105 -120,3820
GND on Bottom Layer "MP1584_L02_GND" (solid, pour order 18): 2870,-100 2860,-90 2860,85 2850,85 2785,150 2785,575 3190,575 3210,595 3755,595 3755,250 3695,250 3595,150 3595,-85 3580,-100
NetC33_2 on Bottom Layer "NETC33_2_L02_P016" (solid, pour order 16): -43.11,3818.9

## Keep-outs
Keep-Out Layer:
  lines w10: -118.11,3743.9 cw(c-43.11,3743.9) -43.11,3818.9 3743.9,3818.9 cw(c3743.9,3743.9) 3818.9,3743.9 ; -118.11,3746.89 -118.11,-43.11 ccw(c-43.11,-43.11) -43.11,-118.11 3743.9,-118.11 ccw(c3743.9,-43.11) 3818.9,-43.11 3818.9,3746.89

## Silkscreen, mask and mechanical layers (free items; w line width, h text height)
Top Overlay:
  text "JLINK" at 700,3590 h40 r90
  text "G  C  D  V" at 170,3525 h32
  text "Soil humiture" at -105,2380 h60
  text "RS485" at 3675,1700 h60 r90
  text "G A B" at 3780,1700 h60 r90
  text "Pressure" at -105,1620 h60
  text "3.3V" at 735,1195 h60
  text "5V" at 1290,1195 h60
  text "T&H" at -100,1065 h60
  text "light intensity" at -100,505 h60
Bottom Overlay:
  text "陆生脊椎动物设备 V7" at 1385,785 h100
  text "Institute of Zoology,CAS" at 1385,695 h100
  text "CSE,ZJU" at 1385,610 h100
  text "2020年6月" at 1385,520 h100

## Text inside footprints (layer, text, board x,y; h text height)
J1: Bottom Overlay "1" at 3566.26,2940.44 h47.24 r270
P2: Top Overlay "VCC" at 1200,3510 h50; Top Overlay "RX" at 1010,3510 h50; Top Overlay "TX" at 910,3510 h50; Top Overlay "GND" at 1100,3510 h50
P3: Top Overlay "VCC" at -101,3490 h50 r270; Top Overlay "RX" at -101.54,3262 h50 r270; Top Overlay "TX" at -101.54,3164 h50 r270; Top Overlay "GND" at -101,3383 h50 r270
S2: Top Overlay "1" at 2314,3277.72 h15.75 r90
S3: Top Overlay "1" at 781,939.37 h15.75 r270
S4: Top Overlay "1" at 2585,430 h15.75
S5: Top Overlay "1" at 1331,942.28 h15.75 r270
S6: Top Overlay "1" at 2595,845 h15.75
S7: Top Overlay "1" at 179,585.63 h15.75 r90
S8: Top Overlay "1" at 179,1150 h15.75 r90
S9: Top Overlay "1" at 174,1705 h15.75 r90
S10: Top Overlay "1" at 179,2465.63 h15.75 r90
USB1: Mechanical 2 "PCB Edge" at 1113.03,3788.74 h16 r180
USB2: Bottom Overlay "NC" at 1945,3454.28 h39.37 r90; Bottom Overlay "IN" at 1858,3451 h39.37 r90; Bottom Overlay "ACT" at 1778,3473.96 h39.37 r90; Bottom Overlay "DC" at 1701,3454.28 h39.37 r90; Bottom Overlay "GND" at 1633,3473.96 h39.37 r90; Bottom Overlay "VCC" at 1902,3628.68 h39.37 r90; Bottom Overlay "DM" at 1825,3609 h39.37 r90; Bottom Overlay "DP" at 1743,3609 h39.37 r90; Bottom Overlay "DC" at 1669,3609 h39.37 r90